# Altium PCB PCB_VHDCI_breakout.PCBDOC (part 1 of 6) (continued)
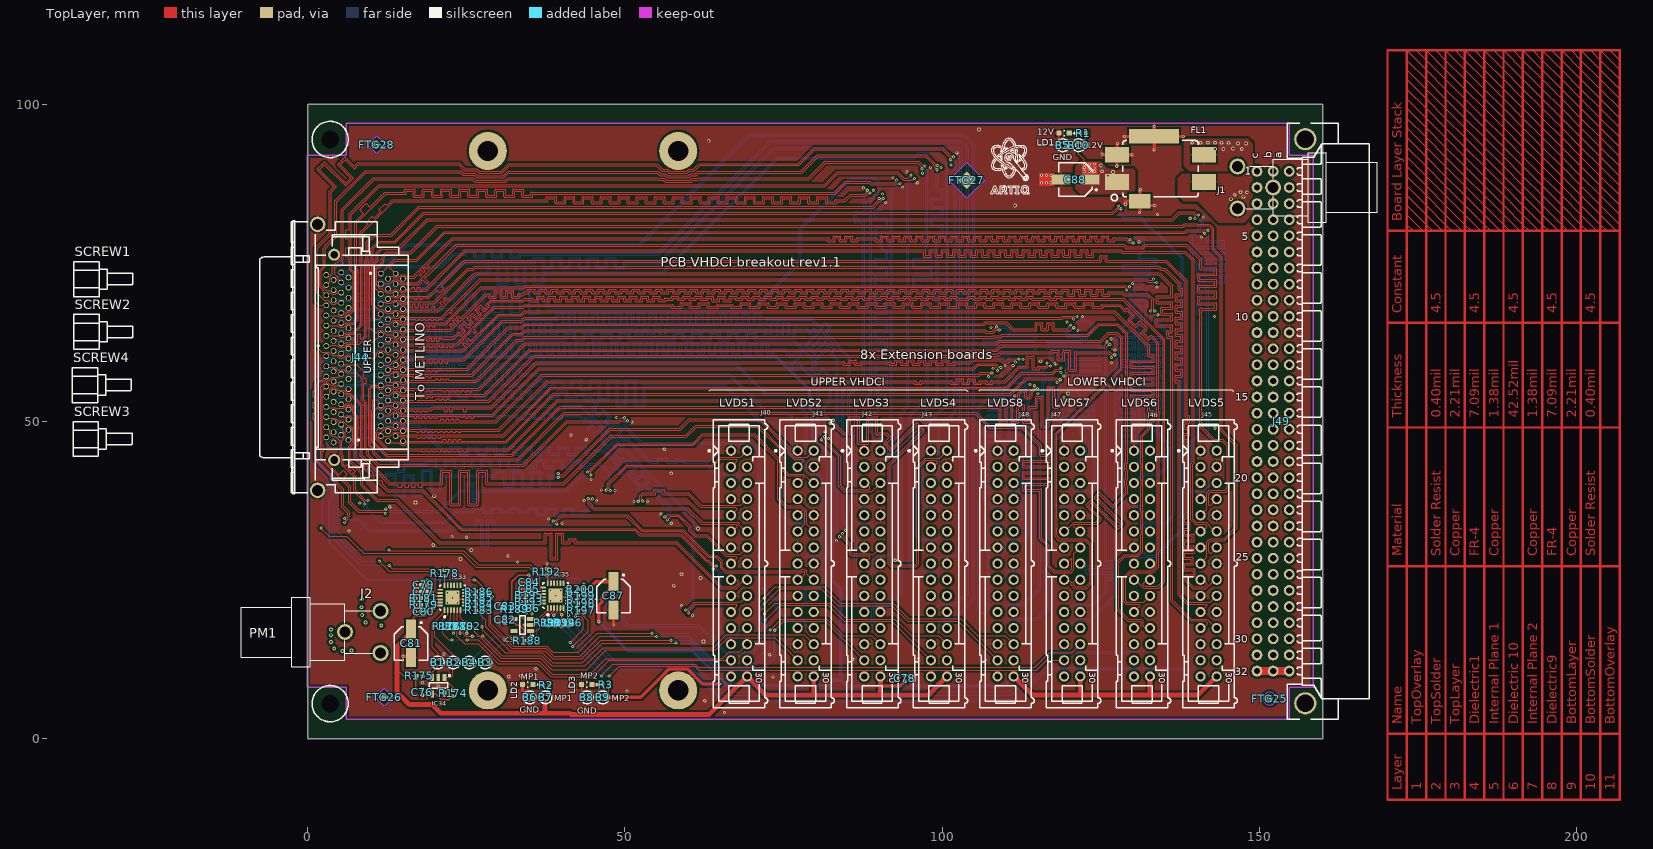
[diagram p0: TopLayer view]
## Footprints (in the part's own frame and the unit in brackets; to place one, negate y for a bottom-side part, rotate by r counter-clockwise, add the part's x,y. Pads: shape width x height; smd on the part's side, far side on the other; paste and mask are expansions set on the pad) (continued)
MOLEX_74337-0015 [mm] "2x68 Positions, Pitch 0.8mm, Very Hight Density Right Angle Dual Stacked VHDCI Receptacle"
  round 1.9 hole 1.2: 69(-16.175,4.79) 71(16.175,4.79)
  round 2.45 hole 1.75: 70(-20.95,7.41) 72(20.95,7.41)
  round 0.9 hole 0.65: L1(-13.005,2.54) L2(-12.205,3.69) L3(-11.405,2.54) L4(-10.605,3.69) L5(-9.805,2.54) L6(-9.005,3.69) L7(-8.205,2.54) L8(-7.405,3.69) L9(-6.605,2.54) L10(-5.805,3.69) L11(-5.005,2.54) L12(-4.205,3.69) L13(-3.405,2.54) L14(-2.605,3.69) L15(-1.805,2.54) L16(-1.005,3.69) L17(-0.205,2.54) L18(0.595,3.69) L19(1.395,2.54) L20(2.195,3.69) L21(2.995,2.54) L22(3.795,3.69) L23(4.595,2.54) L24(5.395,3.69) L25(6.195,2.54) L26(6.995,3.69) L27(7.795,2.54) L28(8.595,3.69) L29(9.395,2.54) L30(10.195,3.69) L31(10.995,2.54) L32(11.795,3.69) L33(12.595,2.54) L34(13.395,3.69) L35(-13.405,4.89) L36(-12.605,6.04) L37(-11.805,4.89) L38(-11.005,6.04) L39(-10.205,4.89) L40(-9.405,6.04) L41(-8.605,4.89) L42(-7.805,6.04) L43(-7.005,4.89) L44(-6.205,6.04) L45(-5.405,4.89) L46(-4.605,6.04) L47(-3.805,4.89) L48(-3.005,6.04) L49(-2.205,4.89) L50(-1.405,6.04) L51(-0.605,4.89) L52(0.195,6.04) L53(0.995,4.89) L54(1.795,6.04) L55(2.595,4.89) L56(3.395,6.04) L57(4.195,4.89) L58(4.995,6.04) L59(5.795,4.89) L60(6.595,6.04) L61(7.395,4.89) L62(8.195,6.04) L63(8.995,4.89) L64(9.795,6.04) L65(10.595,4.89) L66(11.395,6.04) L67(12.195,4.89) L68(12.995,6.04) U1(13.195,-2.54) U2(12.395,-3.69) U3(11.595,-2.54) U4(10.795,-3.69) U5(9.995,-2.54) U6(9.195,-3.69) U7(8.395,-2.54) U8(7.595,-3.69) U9(6.795,-2.54) U10(5.995,-3.69) U11(5.195,-2.54) U12(4.395,-3.69) U13(3.595,-2.54) U14(2.795,-3.69) U15(1.995,-2.54) U16(1.195,-3.69) U17(0.395,-2.54) U18(-0.405,-3.69) U19(-1.205,-2.54) U20(-2.005,-3.69) U21(-2.805,-2.54) U22(-3.605,-3.69) U23(-4.405,-2.54) U24(-5.205,-3.69) U25(-6.005,-2.54) U26(-6.805,-3.69) U27(-7.605,-2.54) U28(-8.405,-3.69) U29(-9.205,-2.54) U30(-10.005,-3.69) U31(-10.805,-2.54) U32(-11.605,-3.69) U33(-12.405,-2.54) U34(-13.205,-3.69) U35(13.195,-4.89) U36(12.395,-6.04) U37(11.595,-4.89) U38(10.795,-6.04) U39(9.995,-4.89) U40(9.195,-6.04) U41(8.395,-4.89) U42(7.595,-6.04) U43(6.795,-4.89) U44(5.995,-6.04) U45(5.195,-4.89) U46(4.395,-6.04) U47(3.595,-4.89) U48(2.795,-6.04) U49(1.995,-4.89) U50(1.195,-6.04) U51(0.395,-4.89) U52(-0.405,-6.04) U53(-1.205,-4.89) U54(-2.005,-6.04) U55(-2.805,-4.89) U56(-3.605,-6.04) U57(-4.405,-4.89) U58(-5.205,-6.04) U59(-6.005,-4.89) U60(-6.805,-6.04) U61(-7.605,-4.89) U62(-8.405,-6.04) U63(-9.205,-4.89) U64(-10.005,-6.04) U65(-10.805,-4.89) U66(-11.605,-6.04) U67(-12.405,-4.89) U68(-13.205,-6.04)
  silkscreen extent -21.5,-6.89 21.5,16.5, body extent -21.5,-6.89 21.5,16.5, height 12.77
QFN50P400X400X100-25N-S220 [mm] "QFN, 0.50mm Pitch, Square; 24 Pin, 4.00mm L X 4.00mm W X 1.00mm H body (w/thermal tab 2.2 X 2.2mm), IPC Medium Density"
  oval 0.9x0.3 smd: 1(-1.95,1.25) 2(-1.95,0.75) 3(-1.95,0.25) 4(-1.95,-0.25) 5(-1.95,-0.75) 6(-1.95,-1.25) 13(1.95,-1.25) 14(1.95,-0.75) 15(1.95,-0.25) 16(1.95,0.25) 17(1.95,0.75) 18(1.95,1.25)
  oval 0.3x0.9 smd: 7(-1.25,-1.95) 8(-0.75,-1.95) 9(-0.25,-1.95) 10(0.25,-1.95) 11(0.75,-1.95) 12(1.25,-1.95) 19(1.25,1.95) 20(0.75,1.95) 21(0.25,1.95) 22(-0.25,1.95) 23(-0.75,1.95) 24(-1.25,1.95)
  rect 2.2x2.2 smd: 25(0,0)
  silkscreen extent -3.12,-2 2,2, body extent -2.07,-2.07 2.08,2.08, height 1
RESC1005X40N [mm] "Chip Resistor, EIA 0402, Metric 1005, Body 1.0x0.5mm, IPC Medium Density"
  rect 0.58x0.62 smd: 1(-0.47,0) 2(0.47,0)
  body extent -0.52,-0.27 0.53,0.28, height 0.4
SOT95P280X145-5N [mm] "SOT, 0.95mm pitch; 5 pin, 1.60mm W X 2.90mm L X 1.45mm H body, IPC Medium Density"
  rect 1.1x0.6 smd: 1(-1.3,0.95) 2(-1.3,0) 3(-1.3,-0.95) 4(1.3,-0.95) 5(1.3,0.95)
  silkscreen extent -1.72,-1.45 0.43,1.88, body extent -1.4,-1.5 1.4,1.5, height 1.45
SWITCHCRAFT_L712RA [mm] "CONN PWR JACK 2.5X5.5MM SOLDER"
  round 2.5 hole 1.7: 1(-5.6,-3.3) 2(0,-6.6) 3(0,0)
  silkscreen extent -22,-8.84 -1.32,2.21, body extent -22,-8.84 1.35,2.18, height 13.9

## Part data
B1 B2 B3 B4 B5 B6 B7 B8 B9 B10: library part PLATED_HOLE0.6_PAD1.3, "Single Terminal Socket", Author="CERN DEM MR", ComponentHeight=0mm, Component Type="Standard (No BOM)", CreateDate=02.03.2016, Family="Plated Hole", HelpURL=Undefined, LatestRevisionDate=02.03.2016, Mounted=No, PackageDescription="Plated Through Hole: Hole Dia.=0.6mm Pad Dia.=1.3mm", Part Description="Plated Through Hole: Hole Dia.=0.6mm Pad Dia.=1.3mm", Part Number=PLATED_HOLE0.6_PAD1.3, Pin Count=1, Sense=No, SMD=No, Socket=No, Status=None
C76 C77 C78 C79 C80 C82 C83 C84 C85 C86: library part CC0402_100NF_16V_10%_X5R, "Non-polarised capacitor", Case=0402, Manufacturer=GENERIC, Manufacturer1 ComponentHeight=0.55mm, Manufacturer1 Example=MURATA, Manufacturer1 Part Number=GRM155R61C104KA88D, Tolerance=±10%, Voltage=16V, Author="CERN DEM JLC", Component Type=Standard, CreateDate=10.12.2013, HelpURL=\\cern.ch\dfs\Applications\Altium\Datasheets\CC0402_X5R_MURATA_GRM.pdf, LatestRevisionDate=10.12.2013, Manufacturer Part Number=CC0402_100NF_16V_10%_X5R, Mounted=Yes, Part Description="SMD Multilayer Chip Ceramic Capacitor", Part Number=CC0402_100NF_16V_10%_X5R, Pin Count=2, Sense=No, SMD=Yes, Socket=No, Status=None, TC=X5R
C81 C87 C88: library part CAE530-540_22UF_16V_20%, "Polarised capacitor", Case=B, Manufacturer=PANASONIC, Manufacturer Part Number=EEEFK1C220AR, Tolerance=±20%, Voltage=16V, Author="CERN DEM JLC", ComponentHeight=5.8mm, Component Type=Standard, CreateDate=03.12.2007, HelpURL=\\cern.ch\dfs\Applications\Altium\Datasheets\CAE_PANASONIC_FK.pdf, LatestRevisionDate=05.11.2014, Mounted=Yes, Part Description="Aluminum Electrolytic SMT Capacitor", Part Number=CAE530-540_22UF_16V_20%, Pin Count=2, Sense=No, SMD=Yes, Socket=No, Status="Not Recommended"
FL1: library part FIL_MURATA_BNX022-01L, "Block Type EMIFIL (LC Combined)", Manufacturer=MURATA, Manufacturer Part Number=BNX022-01L, Resistance=0.5R, Author="CERN DEM JLC", ComponentHeight=3.3mm, Component Type=Standard, CreateDate=10.10.2012, HelpURL=\\cern.ch\dfs\Applications\Altium\Datasheets\FIL_MURATA_BNX022-01L.pdf, LatestRevisionDate=10.10.2012, Mounted=Yes, Part Description="Block Type EMIFIL (LC Combined) SMD Type, BNX02* Series", Part Number=FIL_MURATA_BNX022-01L, Pin Count=2, Sense=No, SMD=Yes, Socket=No, Status=None
FTG25: library part FIDUCIAL_TARGET_C100-200, "Fiducial Target", Author="CERN DEM JLC", ComponentHeight=0mm, Component Type="Standard (No BOM)", CreateDate=09.02.2010, Family=Fiducial, HelpURL=Undefined, LatestRevisionDate=04.04.2012, Mounted=No, PackageDescription="Round Fiducial Target, Top Layer, 1.0mm, Top Solder 2.0mm, Keepout =2.0mm", Part Description="Round Fiducial Target, Top Layer, 1.0mm, Top Solder 2.0mm, Keepout =2.0mm", Part Number=FIDUCIAL_TARGET_C100-200, Pin Count=1, Sense=No, SMD=Yes, Socket=No, Status=None
FTG26 FTG28: library part FIDUCIAL_TARGET_S100-200, "Fiducial Target", Author="CERN DEM JLC", ComponentHeight=0mm, Component Type="Standard (No BOM)", CreateDate=09.02.2010, Family=Fiducial, HelpURL=Undefined, LatestRevisionDate=04.04.2012, Mounted=No, PackageDescription="Square Fiducial Target, Top Layer, 1.0mm, Top Solder 2.0mm, Keepout =2.0mm", Part Description="Square Fiducial Target, Top Layer, 1.0mm, Top Solder 2.0mm, Keepout =2.0mm", Part Number=FIDUCIAL_TARGET_S100-200, Pin Count=1, Sense=No, SMD=Yes, Socket=No, Status=None
FTG27: library part FIDUCIAL_TARGET_S200-400, "Fiducial Target", Author="CERN DEM JLC", ComponentHeight=0mm, Component Type="Standard (No BOM)", CreateDate=02.06.2008, Family=Fiducial, HelpURL=Undefined, LatestRevisionDate=04.04.2012, Mounted=No, PackageDescription="Square Fiducial Target, Top Layer, 2.0mm, Top Solder 4.0mm, Keepout =4.0mm", Part Description="Square Fiducial Target, Top Layer, 2.0mm, Top Solder 4.0mm, Keepout =4.0mm", Part Number=FIDUCIAL_TARGET_S200-400, Pin Count=1, Sense=No, SMD=Yes, Socket=No, Status=None
IC33 IC35: "Low Voltage 8-Channel I2C Switch With Reset", Case=QFN24, Manufacturer="TEXAS INSTRUMENTS", Author="CERN DEM JLC", Bonding=No, ComponentHeight=1mm, Component Type=Standard, CreateDate=07.07.2014, Device=TCA9548ARGER, HelpURL=\\cern.ch\dfs\Applications\Altium\Datasheets\TCA9548ARGER.pdf, LatestRevisionDate=07.07.2014, Manufacturer Part Number=TCA9548ARGER, Mounted=Yes, PackageDescription="QFN, 0.50mm Pitch, Square; 24 Pin, 4.00mm L X 4.00mm W X 1.00mm H body (w/thermal tab 2.2 X 2.2mm), IPC Medium Density", Part Description="Low Voltage 8-Channel I2C Switch With Reset", Part Number=TCA9548ARGER, Pin Count=25, PressFit=No, Sense=No, SMD=Yes, Socket=No
IC34 IC36: "1.7V-5.5V, 2K I2C Serial EEPROM With EUI-48 Node Identity", Case=SOT23-5, Manufacturer="MICROCHIP TECHNOLOGY", Author="CERN DEM MR", Bonding=No, ComponentHeight=1.45mm, Component Type=Standard, CreateDate=31.03.2016, Device=24AA02E48T-I/OT, HelpURL=\\cern.ch\dfs\Applications\Altium\Datasheets\24AA02E48T-I-OT.pdf, LatestRevisionDate=31.03.2016, Manufacturer Part Number=24AA02E48T-I/OT, Mounted=Yes, PackageDescription="SOT, 0.95mm pitch; 5 pin, 1.60mm W X 2.90mm L X 1.45mm H body, IPC Medium Density", Part Description="1.7V-5.5V, 2K I2C Serial EEPROM With EUI-48 Node Identity", Part Number=24AA02E48T-I/OT, Pin Count=5, PressFit=No, Sense=No, SMD=Yes, Socket=No
J1 J2: "24V /3. 5A, 2.1mm Diameter Pin, SMD DC Power Supply Connector With  Break Contact", Manufacturer=SWITCHCRAFT, Manufacturer Part Number=L712RA, Part Number=SWITCHCRAFT_L712RA, Author=GK, ComponentHeight=11mm, Component Type=Standard, CreateDate=15.02.2011, Family=Jack, HelpURL=\\cern.ch\dfs\Applications\Altium\Datasheets\LUMBERG_161314.pdf, LatestRevisionDate=20.07.2011, Mounted=Yes, Part Description="12V/5A, 2.5mm Diameter Pin, THT DC Power Supply Connector With  Break Contact", Pin Count=3, PressFit=No, Sense=No, SMD=No, Socket=No, Status=None
J40 J41 J42 J43 J45 J46 J47 J48: library part 3M_N2530-6002RB, "Connector 30 Male", Manufacturer=3M, Manufacturer Part Number=N2530-6002RB, Author="CERN DEM JLC", ComponentHeight=10.03mm, Component Type=Standard, CreateDate=11.02.2009, Family="Header 30", HelpURL=\\cern.ch\dfs\Applications\Altium\Datasheets\3M_N2530-6002RB.pdf, LatestRevisionDate=11.08.2009, Mounted=Yes, Part Description="30 Contacts - Straight .100'' x .100'' Low Profile Four-Wall Header, 2500 Series", Part Number=3M_N2530-6002RB, Pin Count=30, PressFit=No, Sense=No, SMD=No, Socket=No, Status=None
J44: library part MOLEX_74337-0015, "Very High Density Cable Interconnect (VHDCI ) 2x68 Female", Manufacturer=MOLEX, Manufacturer Part Number="Delivered by GK", Author="CERN DEM JLC", ComponentHeight=10.78mm, Component Type=Standard, CreateDate=30.04.2014, Family=VHDCI, HelpURL=\\cern.ch\dfs\Applications\Altium\Datasheets\MOLEX_74337-0015.pdf, LatestRevisionDate=30.04.2014, Mounted=Yes, Part Description="2x68 Positions, Pitch 0.8mm, Very Hight Density Right Angle Dual Stacked VHDCI Receptacle", Part Number="Delivered by GK", Pin Count=140, PressFit=No, Sense=No, SMD=No, Socket=No, Status=None
J49: library part "HARTING_09 03 196 2921", "Connector 96abc male (3x32)", Manufacturer=HARTING, Manufacturer Part Number="09 03 196 2921", Author="CERN DEM JLC", ComponentHeight=11mm, Component Type=Standard, CreateDate=16.04.2008, Family="DIN 41612 Type C", HelpURL="\\cern.ch\dfs\Applications\Altium\Datasheets\HARTING_09 03 196 2921.pdf", LatestRevisionDate=25.02.2013, Mounted=Yes, Part Description="DIN 41612, Type C, 96 Position, Rows a+b+c, Performance level 1, Right Angle Male Connector, Lead 3.0 mm, Pitch 2.54mm", Part Number="HARTING_09 03 196 2921", Pin Count=98, PressFit=No, Sense=No, SMD=No, Socket=No, Status=None
LD1 LD2 LD3: library part LED_KINGBRIGHT_KPH-1608CGCK, "LED Green 1C 2A", Manufacturer=KINGBRIGHT, Manufacturer Part Number=KPH-1608CGCK, Author="CERN DEM JLC", Bonding=No, Color=Green, ComponentHeight=0.65mm, Component Type=Standard, CreateDate=03.07.2017, HelpURL=\\cern.ch\dfs\Applications\Altium\Datasheets\LED_KINGBRIGHT_KPH-1608CGCK.pdf, LatestRevisionDate=03.07.2017, Mounted=Yes, PackageDescription="SMT Green LED, Case 0603, Body L 1.6 x W 0.8mm H 0.65mm", Part Description="SMD Green LED, Case 1.6mmX0.8mm(0603), 0.65mm Thickness", Part Number=LED_KINGBRIGHT_KPH-1608CGCK, Pin Count=2, PressFit=No, Sense=No, SMD=Yes, Socket=No
PM1: "90W  AC-DC  Medical Power Adaptor", Manufacturer="MEAN WELL", Author=GK, Bonding=No, ComponentHeight=21.5mm, Component Type=Standard, CreateDate=14.02.2018, Device=GSM90B12-P1M, HelpURL=\\cern.ch\dfs\Applications\Altium\Datasheets\IRM-10-12.pdf, LatestRevisionDate=14.02.2018, Manufacturer Part Number=GSM90B12-P1M, Mounted=Yes, PackageDescription="GSM Series, 145.0mm x 60.0mm x 32.0mm , Power Supply", Part Description="80-264VAC To 12VDC (6.67A) 90W Power Supply", Part Number=GSM90B12-P1M, Pin Count=0, PressFit=No, Sense=No, SMD=No, Socket=No, Status=None
R1: library part R0402_10K_1%_0.0625W_100PPM, "Resistor - 1%", Case=0402, Manufacturer=GENERIC, Manufacturer1 ComponentHeight=0.4mm, Manufacturer1 Example="YAGEO PHYCOMP", Manufacturer1 Part Number=232270671003L, Power=0.0625W, Tolerance=±1%, Author="CERN DEM JLC", Component Type=Standard, CreateDate=03.12.2007, HelpURL=\\cern.ch\dfs\Applications\Altium\Datasheets\R0402_Phycomp_RC0402.pdf, LatestRevisionDate=17.10.2012, Manufacturer Part Number=R0402_10K_1%_0.0625W_100PPM, Mounted=Yes, Part Description="General Purpose Thick Film Chip Resistor", Part Number=R0402_10K_1%_0.0625W_100PPM, Pin Count=2, Sense=No, SMD=Yes, Socket=No, Status="Not recommended", TC=±100ppm/°C
R2 R3: library part R0402_510R_1%_0.0625W_100PPM, "Resistor - 1%", Case=0402, Manufacturer=GENERIC, Manufacturer1 ComponentHeight=0.4mm, Manufacturer1 Example="YAGEO PHYCOMP", Manufacturer1 Part Number=232270675101L, Power=0.0625W, Tolerance=±1%, Author="CERN DEM JLC", Component Type=Standard, CreateDate=03.12.2007, HelpURL=\\cern.ch\dfs\Applications\Altium\Datasheets\R0402_Phycomp_RC0402.pdf, LatestRevisionDate=17.10.2012, Manufacturer Part Number=R0402_510R_1%_0.0625W_100PPM, Mounted=Yes, Part Description="General Purpose Thick Film Chip Resistor", Part Number=R0402_510R_1%_0.0625W_100PPM, Pin Count=2, Sense=No, SMD=Yes, Socket=No, Status="Not recommended", TC=±100ppm/°C
R174 R175 R176 R177 R180 R182 R183 R184 R185 R186 R188 R189 R190 R191 R194 R196 R197 R198 R199 R200: library part R0402_2K2_1%_0.0625W_100PPM, "Resistor - 1%", Case=0402, Manufacturer=GENERIC, Manufacturer1 ComponentHeight=0.4mm, Manufacturer1 Example="YAGEO PHYCOMP", Manufacturer1 Part Number=232270672202L, Power=0.0625W, Tolerance=±1%, Author="CERN DEM JLC", Component Type=Standard, CreateDate=03.12.2007, HelpURL=\\cern.ch\dfs\Applications\Altium\Datasheets\R0402_Phycomp_RC0402.pdf, LatestRevisionDate=17.10.2012, Manufacturer Part Number=R0402_2K2_1%_0.0625W_100PPM, Mounted=Yes, Part Description="General Purpose Thick Film Chip Resistor", Part Number=R0402_2K2_1%_0.0625W_100PPM, Pin Count=2, Sense=No, SMD=Yes, Socket=No, Status="Not recommended", TC=±100ppm/°C
R178 R179 R181 R192 R193 R195: library part R0402_0R_JUMPER, "Resistor", Case=0402, Manufacturer=GENERIC, Manufacturer1 ComponentHeight=0.4mm, Manufacturer1 Example="YAGEO PHYCOMP", Manufacturer1 Part Number=232270591001L, Author="CERN DEM JLC", Component Type=Standard, CreateDate=03.12.2007, HelpURL=\\cern.ch\dfs\Applications\Altium\Datasheets\R0402_Phycomp_RC0402.pdf, LatestRevisionDate=17.10.2012, Manufacturer Part Number=R0402_0R_JUMPER, Mounted=Yes, Part Description="1A (0.05R Max DC Resistance) Zero Ohm Jumper", Part Number=R0402_0R_JUMPER, Pin Count=2, Sense=No, SMD=Yes, Socket=No, Status="Not recommended"
SCREW1 SCREW2 SCREW3 SCREW4: "VHDCI Female Screw Lock", Manufacturer=Molex, Part Number=MOLEX_71433-0002, Author=GK, ComponentHeight=5.48mm, Component Type=Mechanical, CreateDate=10.09.2013, HelpURL=\\cern.ch\dfs\Applications\Altium\Datasheets\TYCO_749087-2.pdf, LatestRevisionDate=10.09.2013, Manufacturer Part Number=71433-0002, Mounted=Yes, PackageDescription="D-Sub Female Screw Locks, Thread Size: Socket", Part Description="D-Sub Female Screw Locks, Thread Size: Socket MOLEX_71433-0002", Pin Count=0, PressFit=No, Sense=No, SMD=No, Socket=No, Status=None

## Free pads (board coordinates)
  round 6 hole 3.2: 0(58.4,7.6) 1(58.4,92.6) 2(28.4,92.6) 3(28.4,7.6)
  round 1.27 hole 2.794: 1(3.556,94.412) 2(3.556,5.512)

## Via types
v1: diameter 0.5, hole 0.2, TopLayer to BottomLayer, tented both sides, 278 vias
v2: diameter 0.6, hole 0.3, TopLayer to BottomLayer, tented both sides, 52 vias

## Nets (pads, with @x,y where several pads share a name; then routed paths per layer and width w, separated by ;. In a path a pad name is that pad's centre, name@x,y a point inside that pad or via, vN(x,y) a via of type N, cw(c..) or ccw(c..) an arc to the next point about the centre after c; other vN are vias at no path point)
GND: B5.1 B6.1 B8.1 C76.1 C77.1 C78.1 C79.1 C80.1 C81.2 C82.1 C83.1 C84.1 C85.1 C86.1 C87.2 C88.2 FL1.4 IC33.9 IC33.25 IC34.2 IC35.9 IC35.25 IC36.2 J40.1 J40.4 J40.7 J40.10 J40.13 J40.16 J40.19 J40.22 J40.25 J41.1 J41.4 J41.7 J41.10 J41.13 J41.16 J41.19 J41.22 J41.25 J42.1 J42.4 J42.7 J42.10 J42.13 J42.16 J42.19 J42.22 J42.25 J43.1 J43.4 J43.7 J43.10 J43.13 J43.16 J43.19 J43.22 J43.25 J44.69 J44.70 J44.71 J44.72 J44.L18 J44.U18 J45.1 J45.4 J45.7 J45.10 J45.13 J45.16 J45.19 J45.22 J45.25 J46.1 J46.4 J46.7 J46.10 J46.13 J46.16 J46.19 J46.22 J46.25 J47.1 J47.4 J47.7 J47.10 J47.13 J47.16 J47.19 J47.22 J47.25 J48.1 J48.4 J48.7 J48.10 J48.13 J48.16 J48.19 J48.22 J48.25 J49.a9 J49.a11 J49.a17 J49.a19 J49.b12 J49.b20 J49.b22 J49.b23 J49.c9 LD1.1 LD2.1 LD3.1 R178.1 R179.1 R181.1 R192.1 R193.1 R195.1 | length 59.3
  TopLayer w0.254: v1(16.993,21.083) R179.1@17.869,21.083 ; v1(17.019,19.991) C80.1@17.864,19.991 ; v1(17.019,24.233) C79.1@17.889,24.233 ; v1(17.044,22.125) R181.1@17.869,22.125 ; v1(17.095,23.166) C77.1@17.889,23.166 ; C76.1@18.061,6.861 18.761,6.861 v1(18.8,6.9) ; R178.1@21.591,26.506 v1(22.365,26.506) ; v1(22.835,22.201) 23.085,21.951 IC33.9@24.785,21.951 ; v1(30.208,21.279) C83.1@31.141,21.279 ; v1(30.259,18.246) C82.1@31.116,18.246 ; v1(33.478,24.639) C84.1@34.476,24.639 ; v1(33.529,23.573) C85.1@34.476,23.573 ; v1(33.605,22.557) R195.1@34.481,22.557 ; v1(33.681,21.591) R193.1@34.481,21.591 ; v1(34.113,17.908) IC36.2@35.133,17.908 ; v1(34.45,19.781) C86.1@34.45,20.55 ; R192.1@37.72,26.786 v1(37.72,27.586) ; v1(39.091,22.531) 39.341,22.281 IC35.9@41.041,22.281 ; LD3.1@43.175,8.5 43.175,7.325 B8.1@44,6.5 ; C78.1@94.1,9.95 94.611,9.95 v1(94.835,9.726) ; LD1.1@118.375,95.4 118.375,94.125 B5.1@119,93.5
  TopLayer w0.508: v1(15.018,12.98) 15.007,12.97 C81.2@16.618,12.97 ; LD2.1@33.875,8.5 33.875,7.525 34.9,6.5 B6.1@35,6.5 ; v1(48.184,17.908) C87.2@48.184,20.23 ; v1(125.2,92.1) 125.3,92 FL1.4@127.55,92 ; v1(127.5,90.2) 127.55,90.25 FL1.4@127.55,92 ; v1(127.6,93.8) 127.55,93.75 FL1.4@127.55,92 ; v1(128.7,94.9) FL1.4@133.4,94.9 ; v2(128.9,84.2) 128.9,84.7 FL1.4@131.15,84.7 ; v1@129.9,92 FL1.4@127.55,92 ; v1(131.1,82.9) 131.15,82.95 FL1.4@131.15,84.7 ; v1(131.2,86.5) 131.15,86.45 FL1.4@131.15,84.7 ; FL1.4@131.9,84 v1(133.5,84) ; v1(133.4,92.8) FL1.4@133.4,94.9 ; v1(133.4,96.5) FL1.4@133.4,94.9 ; v1(138,94.9) FL1.4@133.4,94.9
  BottomLayer w0.127: J44.L18@5.295,60.43 J44.L18@5.295,60.671
  other v1: 65.7,4.1 62.585,5.976 50.335,7.476 42.085,7.726 20.6,8.3 18.1,8.8 73.335,9.726 81.835,9.976 106.8,12.4 85.9,12.5 96.284,12.6 72.835,13.226 21.5,13.3 60.656,19.432 58.929,20.956 22.035,21.401 23.635,21.401 38.291,21.731 39.891,21.731 22.035,23.001 23.635,23.001 38.291,23.331 39.891,23.331 33.071,27.84 92.6,28.1 31.6,28.8 83.338,31.193 25.02,31.726 22.734,31.828 6.553,32.69 84.8,32.8 40.1,33.9 57.303,33.936 38,34.6 55.677,35.409 12.955,36.527 8.205,37.136 51.41,37.365 53.569,37.365 43.6,37.5 45.5,37.5 48.464,39.092 46.3,39.2 44.654,40.845 43.9,47.1 82.1,47.3 41.5,47.8 81.56,48.363 143,48.9 51.1,49.9 48.7,50.6 111.43,53.976 115.1,54.4 113.818,55.805 119.152,57.126 108,58.3 109.9,58.8 111.189,58.796 117.755,59.082 126.696,59.26 115.494,59.463 112.751,59.715 127.178,61.241 126.6,63 121.3,64.3 107.7,64.8 119.66,65.66 122.1,66.5 142.9,66.5 133.986,66.803 133.833,71.172 130,71.7 131,78.3 140.869,79.046 139.1,82 141.2,82.2 133.935,82.602 91.1,84.5 87.6,86.8 93.752,86.92 96.063,87.581 115.646,87.597 116.433,87.597 117.144,87.597 92.253,88.444 116.433,88.74 117.144,88.74 115.646,88.765 94.463,89.333 98.172,90.019 129.9,92 102.286,92.305
  other v2: 31.7,9.8 33.6,9.9 36,11 62.4,15.3 57.7,24.1 61.9,25.3 58.9,25.9 24.1,28.3 25.8,29.7 19.8,30.5 61.5,33.1 17,37.2 19.9,38.2 57.3,41.8 56.2,45.6 119.8,54.4 111.5,84 63.2,94.2 105.8,96
I2C1_SCL: IC33.4 J40.27 R177.1 | length 51.3
  TopLayer w0.127: IC33.4@23.085,20.251 23.085,18.247 R177.1@22.988,18.15 22.988,18.112 23.496,17.604 23.496,16.156 24.74,14.911 26.899,14.911 30.023,11.787 36.323,11.787 38.355,9.755 44.933,9.755 47.514,12.336 J40.27@66.715,12.336
I2C1_SDA: IC33.3 J40.26 R176.1 | length 56.8
  TopLayer w0.127: IC33.3@22.585,20.251 22.585,18.789 R176.1@21.946,18.15 21.3,17.504 21.3,16.5 22.254,15.546 v1(22.759,15.546) ; v1(25.147,15.546) 26.925,15.546 30.252,12.219 36.5,12.219 38.558,10.161 44.527,10.161 46.965,12.6 65.329,12.6 66.422,13.692 68.071,13.692 J40.26@69.255,14.876
  BottomLayer w0.127: v1(22.759,15.546) v1(25.147,15.546)
I2C2_SCL: IC33.6 J41.27 R182.1 | length 61.6
  TopLayer w0.127: IC33.6@24.085,20.251 24.085,19.059 R182.1@24.994,18.15 ; R182.1@25.07,18.175 25.667,18.175 26.264,17.578 26.264,16.879 30.512,12.631 36.723,12.631 38.482,10.873 43.968,10.873 47.067,13.971 64.288,13.971 66.218,15.902 73.649,15.902 J41.27@77.215,12.336
I2C2_SDA: IC33.5 J41.26 R180.1 | length 64.1
  TopLayer w0.127: IC33.5@23.585,20.251 23.585,18.568 R180.1@24.004,18.15 24.537,17.616 24.537,16.498 24.905,16.13 v1(25.934,16.13) ; v1@27.572,16.118 30.646,13.044 36.92,13.044 38.507,11.457 43.663,11.457 46.559,14.352 63.983,14.352 65.99,16.359 78.272,16.359 J41.26@79.755,14.876
  BottomLayer w0.127: v1(25.934,16.13) 27.585,16.13 v1(27.61,16.156)
I2C3_SCL: IC33.8 J42.27 R184.1 | length 82.5
  TopLayer w0.127: IC33.8@24.785,21.451 25.566,21.451 v1(25.604,21.414) 26.353,21.414 R184.1@26.556,21.21 ; v1(27.483,17.629) 27.585,17.527 27.585,17.096 31.116,13.565 37.008,13.565 38.659,11.914 43.257,11.914 46.406,15.064 57.061,15.064 57.07,15.055 58.031,15.055 v1(58.04,15.064) ; v1(73.61,17.07) 75.032,18.493 81.558,18.493 J42.27@87.715,12.336
  BottomLayer w0.127: v1(25.604,21.414) 27.483,19.534 v1(27.483,17.629) ; v1(58.04,15.064) 60.162,15.064 65.724,9.502 65.724,9.386 66.305,8.806 69.665,8.806 71.656,10.796 71.726,10.796 73.708,12.778 73.708,16.972 v1(73.61,17.07)
I2C3_SDA: IC33.7 J42.26 R183.1 | length 81
  TopLayer w0.127: IC33.7@24.785,20.951 25.228,20.951 26.048,20.131 26.556,20.131 28.042,18.645 28.042,17.654 31.84,13.857 37.351,13.857 38.659,12.549 43.231,12.549 46.178,15.495 v1(57.252,15.495) v1@57.201,15.445 ; v1(72.873,17.096) 74.6,18.823 81.814,18.823 84.405,16.232 88.899,16.232 J42.26@90.255,14.876
  BottomLayer w0.127: v1(57.252,15.495) 57.261,15.504 58.222,15.504 58.231,15.495 60.09,15.495 64.748,10.838 69.876,10.838 70.13,11.092 71.662,11.092 73.454,12.884 73.454,16.515 v1(72.873,17.096)
I2C4_SCL: IC33.11 J43.27 R186.1 | length 96.5
  TopLayer w0.127: IC33.11@24.785,22.951 25.541,22.951 v1(25.731,23.141) 25.756,23.166 R186.1@26.556,23.166 ; v1(28.449,23.166) 28.449,20.574 28.64,20.382 28.64,17.767 32.132,14.276 37.516,14.276 38.786,13.006 42.927,13.006 46.025,16.105 v1(54.966,16.105) ; v1(72.086,18.67) 74.448,21.033 82.028,21.033 84.543,18.518 92.033,18.518 J43.27@98.215,12.336
  BottomLayer w0.127: v1(25.731,23.141) 25.756,23.166 v1(28.449,23.166) ; v1(54.966,16.105) 59.839,16.105 64.853,11.092 69.77,11.092 70.024,11.346 70.331,11.346 72.8,13.814 72.8,16.546 72.433,16.913 72.433,18.323 v1(72.086,18.67)
I2C4_SDA: IC33.10 J43.26 R185.1 | length 97.4
  TopLayer w0.127: IC33.10@24.785,22.451 25.633,22.451 v1(25.68,22.404) 25.883,22.201 R185.1@26.556,22.201 ; v1(29.084,22.379) 29.084,21.922 28.855,21.693 28.855,20.527 28.894,20.488 28.894,18.097 32.411,14.581 37.694,14.581 38.634,13.641 42.673,13.641 45.644,16.613 v1(54.28,16.613) v1@54.23,16.664 ; v1(71.984,19.661) 73.661,21.337 82.473,21.337 84.988,18.823 92.533,18.823 95.174,16.181 99.45,16.181 J43.26@100.755,14.876
  BottomLayer w0.127: v1(25.68,22.404) 29.058,22.404 v1(29.084,22.379) ; v1(54.28,16.613) 59.691,16.613 64.958,11.346 69.665,11.346 71.903,13.584 71.903,18.23 71.645,18.488 71.645,18.853 71.984,19.192 v1(71.984,19.661)
I2C5_SCL: IC35.4 J45.27 R191.1 | length 112.9
  TopLayer w0.127: R191.1@38.99,18.709 38.786,18.912 v1(38.786,19.432) 39.341,19.987 IC35.4@39.341,20.581
  BottomLayer w0.127: v1(38.786,19.432) 38.786,18.696 46.635,10.847 60.351,10.847 65.406,5.793 111.507,5.793 116.561,10.847 139.226,10.847 J45.27@140.715,12.336
I2C5_SDA: IC35.3 J45.26 R190.1 | length 117.5
  TopLayer w0.127: R190.1@37.948,18.709 v1(37.948,19.331) 38.841,20.224 IC35.3@38.841,20.581
  BottomLayer w0.127: v1(37.948,19.331) 38.609,19.991 39.04,19.991 39.396,19.636 39.396,19.026 47.219,11.203 60.427,11.203 65.406,6.224 111.227,6.224 116.206,11.203 137.821,11.203 140.158,13.54 141.918,13.54 J45.26@143.255,14.876
I2C6_SCL: IC35.6 J46.27 R196.1 | length 100.1
  TopLayer w0.127: IC35.6@40.341,20.581 40.341,20.24 41.098,19.483 v1(41.098,19.432) ; R196.1@41.098,18.709 v1(41.098,19.432) ; v1@41.123,19.458 v1(41.098,19.432)
  BottomLayer w0.127: v1(41.098,19.432) 41.098,18.797 48.108,11.787 60.503,11.787 65.456,6.834 110.821,6.834 117.399,13.413 129.138,13.413 J46.27@130.215,12.336
I2C6_SDA: IC35.5 J46.26 R194.1 | length 104
  TopLayer w0.127: IC35.5@39.841,20.581 39.841,19.724 v1(40.056,19.509) R194.1@40.056,18.709
  BottomLayer w0.127: v1(40.056,19.509) 40.818,20.271 41.326,20.271 41.682,19.915 41.682,18.975 48.54,12.117 60.605,12.117 65.329,7.393 110.683,7.393 117.084,13.794 131.672,13.794 J46.26@132.755,14.876
I2C7_SCL: IC35.8 J47.27 R198.1 | length 91.7
  TopLayer w0.127: IC35.8@41.041,21.781 41.721,21.781 v1(41.961,21.541) 42.431,21.541 R198.1@42.66,21.312 ; v1(41.377,15.14) 43.46,17.223 43.46,18.747 42.927,19.28 v1(42.215,19.28) ; v1(47.524,9.857) 49.093,11.426 61.003,11.426 61.632,10.796 114.936,10.796 116.475,12.336 J47.27@119.215,12.336
  BottomLayer w0.127: v1(41.377,15.14) 41.86,15.14 47.143,9.857 v1(47.524,9.857) ; v1(41.961,21.541) 42.215,21.287 v1(42.215,19.28)
I2C7_SDA: IC35.7 J47.26 R197.1 | length 93.8
  TopLayer w0.127: IC35.7@41.041,21.281 41.522,21.281 R197.1@42.66,20.144 44.197,18.607 44.197,16.943 v1(41.784,14.53) ; v1(46.305,9.882) 48.102,11.68 61.108,11.68 61.56,11.228 114.605,11.228 116.891,13.514 120.393,13.514 J47.26@121.755,14.876
  BottomLayer w0.127: v1(41.784,14.53) 41.784,14.403 v1(46.305,9.882)
I2C8_SCL: IC35.11 J48.27 R200.1 | length 85.3
  TopLayer w0.127: IC35.11@41.041,23.281 42.318,23.281 R200.1@42.609,23.573 43.117,23.065 v1(44.73,23.065) ; v1(71.933,21.185) 71.984,21.185 74.397,23.598 80.95,23.598 83.592,20.956 92.076,20.956 94.539,18.493 102.558,18.493 J48.27@108.715,12.336
  BottomLayer w0.127: v1(44.73,23.065) 45.111,22.684 45.111,22.18 45.102,22.172 45.102,21.168 46.787,19.483 48.311,19.483 50.14,17.654 61.635,17.654 65.912,13.378 69.876,13.378 71.544,15.046 71.544,18.23 71.391,18.383 71.391,20.643 v1(71.933,21.185)
I2C8_SDA: IC35.10 J48.26 R199.1 | length 85.9
  TopLayer w0.127: IC35.10@41.041,22.781 42.384,22.781 R199.1@42.634,22.531 42.634,22.501 43.147,21.989 v1(45.543,21.989) ; v1(71.959,22.176) 73.711,23.928 81.331,23.928 83.897,21.363 92.279,21.363 94.768,18.874 102.972,18.874 105.639,16.207 109.924,16.207 J48.26@111.255,14.876
  BottomLayer w0.127: v1(45.543,21.989) 46.542,21.989 50.496,18.035 61.613,18.035 66.017,13.632 67.23,13.632 69.77,13.632 71.283,15.144 71.283,18.132 71.137,18.278 71.137,21.354 v1(71.959,22.176)
INPUT_GND: FL1.3 J1.1 J2.1 J49.b2 | length 0.3
  TopLayer w0.508: J1.1@151.843,86.843 J1.1@152.146,86.843
  other v2: 5.5,13.8 6.9,13.9 4.2,14.2 3.7,15.2 3.7,16.3 3.7,17.2 143,92.9 144.3,92.9 147.2,92.9 145.8,93 146.6,93.8 147.9,93.8 139.4,93.9 140.7,93.9 141.9,93.9 143,93.9 144,93.9 145.1,93.9
LVDS1_1_N: J40.3 J44.L35 | length 92.7
  TopLayer w0.152: v1(47.7,39.1) 47.525,39.275 47.525,40 50.325,42.8 63.802,42.8 65.05,44.048 67.678,44.048 67.678,43.779 J40.3@66.715,42.816
  BottomLayer w0.127: J44.L35@4.095,46.671 5.139,46.671 6.179,47.711 7.087,47.711
  BottomLayer w0.152: 7.087,47.711 7.299,47.5 9.6,47.5 13.7,43.4 14.358,43.4 cw(c14.358,43.248) 14.51,43.248 14.51,42.311 15.12,42.311 15.12,43.248 cw(c15.272,43.248) 15.272,43.4 18.733,43.4 18.733,43.756 cw(c18.886,43.756) 18.886,43.908 20.308,43.908 cw(c20.308,43.756) 20.46,43.756 20.46,42.892 21.578,42.892 21.578,43.756 cw(c21.73,43.756) 21.73,43.908 23.153,43.908 cw(c23.153,43.756) 23.305,43.756 23.305,42.892 24.423,42.892 24.423,43.756 cw(c24.575,43.756) 24.575,43.908 25.998,43.908 cw(c25.998,43.756) 26.15,43.756 26.15,42.892 27.268,42.892 27.268,43.756 cw(c27.42,43.756) 27.42,43.908 28.842,43.908 cw(c28.842,43.756) 28.995,43.756 28.995,42.892 30.112,42.892 30.112,43.756 cw(c30.265,43.756) 30.265,43.908 31.687,43.908 cw(c31.687,43.756) 31.84,43.756 31.84,42.892 32.957,42.892 32.957,43.756 cw(c33.11,43.756) 33.11,43.908 34.532,43.908 cw(c34.532,43.756) 34.684,43.756 34.684,42.892 35.802,42.892 35.802,43.756 cw(c35.954,43.756) 35.954,43.908 37.377,43.908 cw(c37.377,43.756) 37.529,43.756 37.529,42.892 38.647,42.892 38.647,43.756 cw(c38.799,43.756) 38.799,43.908 40.222,43.908 cw(c40.222,43.756) 40.374,43.756 40.374,42.892 41.492,42.892 41.492,43.756 cw(c41.644,43.756) 41.644,43.908 43.066,43.908 cw(c43.066,43.756) 43.219,43.756 43.219,42.892 44.336,42.892 44.336,43.248 cw(c44.489,43.248) 44.489,43.4 46.131,43.4 47.672,41.859 47.705,41.826 47.705,39.371 47.672,39.339 v1@47.672,39.143
LVDS1_1_P: J40.2 J44.L1 | length 92.4
  TopLayer w0.152: v1(47.045,39.143) 47.22,39.318 47.22,40.126 50.199,43.105 63.676,43.105 64.924,44.353 68.252,44.353 J40.2@69.255,45.356
  BottomLayer w0.127: J44.L1@6.445,47.071 6.684,47.071 6.949,47.335 6.971,47.335
  BottomLayer w0.152: 6.971,47.335 7.068,47.335 7.183,47.221 9.484,47.221 9.652,47.052 9.976,46.729 10.622,46.083 9.928,45.388 10.574,44.741 11.269,45.436 11.81,44.895 13.61,43.095 14.205,43.095 14.205,42.159 ccw(c14.358,42.159) 14.358,42.006 15.272,42.006 ccw(c15.272,42.159) 15.424,42.159 15.424,43.095 18.886,43.095 ccw(c18.886,43.248) 19.038,43.248 19.038,43.603 20.156,43.603 20.156,42.74 ccw(c20.308,42.74) 20.308,42.587 21.73,42.587 ccw(c21.73,42.74) 21.883,42.74 21.883,43.603 23,43.603 23,42.74 ccw(c23.153,42.74) 23.153,42.587 24.575,42.587 ccw(c24.575,42.74) 24.728,42.74 24.728,43.603 25.845,43.603 25.845,42.74 ccw(c25.998,42.74) 25.998,42.587 27.42,42.587 ccw(c27.42,42.74) 27.572,42.74 27.572,43.603 28.69,43.603 28.69,42.74 ccw(c28.842,42.74) 28.842,42.587 30.265,42.587 ccw(c30.265,42.74) 30.417,42.74 30.417,43.603 31.535,43.603 31.535,42.74 ccw(c31.687,42.74) 31.687,42.587 33.11,42.587 ccw(c33.11,42.74) 33.262,42.74 33.262,43.603 34.38,43.603 34.38,42.74 ccw(c34.532,42.74) 34.532,42.587 35.954,42.587 ccw(c35.954,42.74) 36.107,42.74 36.107,43.603 37.224,43.603 37.224,42.74 ccw(c37.377,42.74) 37.377,42.587 38.799,42.587 ccw(c38.799,42.74) 38.952,42.74 38.952,43.603 40.069,43.603 40.069,42.74 ccw(c40.222,42.74) 40.222,42.587 41.644,42.587 ccw(c41.644,42.74) 41.796,42.74 41.796,43.603 42.914,43.603 42.914,42.74 ccw(c43.066,42.74) 43.066,42.587 44.489,42.587 ccw(c44.489,42.74) 44.641,42.74 44.641,43.095 46.005,43.095 47.4,41.7 47.4,39.497 v1(47.045,39.143)
LVDS1_2_N: J40.6 J44.L43 | length 94.6
  BottomLayer w0.127: J44.L43@4.095,53.071 4.654,53.63 5.56,53.63 6.135,54.205 10.753,54.205 11.26,54.711 11.79,54.711 12.297,54.205 13.103,54.205 13.61,54.711 14.14,54.711 14.647,54.205 15.012,54.205 15.037,54.23 15.85,54.23 15.914,54.294
  BottomLayer w0.152: 15.914,54.294 15.915,54.294 15.926,54.305 19.359,54.305 19.359,54.66 cw(c19.511,54.66) 19.511,54.813 20.934,54.813 cw(c20.934,54.66) 21.086,54.66 21.086,53.797 22.204,53.797 22.204,54.66 cw(c22.356,54.66) 22.356,54.813 23.778,54.813 cw(c23.778,54.66) 23.931,54.66 23.931,53.797 25.048,53.797 25.048,54.66 cw(c25.201,54.66) 25.201,54.813 26.623,54.813 cw(c26.623,54.66) 26.776,54.66 26.776,53.797 27.893,53.797 27.893,54.66 cw(c28.046,54.66) 28.046,54.813 29.468,54.813 cw(c29.468,54.66) 29.62,54.66 29.62,53.797 30.738,53.797 30.738,54.66 cw(c30.89,54.66) 30.89,54.813 32.313,54.813 cw(c32.313,54.66) 32.465,54.66 32.465,53.797 33.583,53.797 33.583,54.66 cw(c33.735,54.66) 33.735,54.813 35.158,54.813 cw(c35.158,54.66) 35.31,54.66 35.31,53.797 36.428,53.797 36.428,54.66 cw(c36.58,54.66) 36.58,54.813 38.002,54.813 cw(c38.002,54.66) 38.155,54.66 38.155,53.797 39.272,53.797 39.272,54.66 cw(c39.425,54.66) 39.425,54.813 40.847,54.813 cw(c40.847,54.66) 41,54.66 41,53.797 42.117,53.797 42.117,54.152 cw(c42.27,54.152) 42.27,54.305 43.426,54.305 44.211,53.52 44.462,53.772 cw(c44.57,53.664) 44.678,53.771 ; 44.678,53.772 45.683,52.766 cw(c45.576,52.658) 45.728,52.658 cw(c45.576,52.658) 45.683,52.551 45.073,51.94 45.863,51.15 46.474,51.76 cw(c46.581,51.653) 46.69,51.76 ; 46.689,51.76 47.695,50.754 ; 47.695,50.755 cw(c47.587,50.647) 47.74,50.647 cw(c47.587,50.647) 47.695,50.539 47.084,49.928 47.875,49.138 48.472,49.736 cw(c48.58,49.628) 48.688,49.735 49.694,48.73 cw(c49.586,48.622) 49.738,48.622 cw(c49.586,48.622) 49.694,48.514 49.096,47.917 49.886,47.126 50.138,47.378 cw(c50.245,47.27) 50.354,47.377 ; 50.353,47.378 54.031,43.7 55.059,43.7 55.059,44.056 cw(c55.211,44.056) 55.211,44.208 56.634,44.208 cw(c56.634,44.056) 56.786,44.056 56.786,43.7 57.859,43.7 57.859,43.791 cw(c58.011,43.791) 58.011,43.944 59.434,43.944 cw(c59.434,43.791) 59.586,43.791 59.586,43.7 62.631,43.7 64.531,41.8 66.133,41.8 66.247,41.686 67.183,41.686 67.297,41.8 67.726,41.8 68.005,41.521 68.005,41.2 68.929,40.276 J40.6@69.255,40.276
LVDS1_2_P: J40.5 J44.L9 | length 93.4
  BottomLayer w0.127: J44.L9@6.445,53.471 6.925,53.951 7.1,53.951 7.354,53.951 7.862,53.951 7.862,52.91 8.37,52.91 8.37,53.951 8.878,53.951 8.9,53.951 10.739,53.951 11.26,53.43 11.79,53.43 12.311,53.951 13.089,53.951 13.61,53.43 14.14,53.43 14.661,53.951 15.117,53.951 15.143,53.976 15.85,53.976 15.914,53.913 15.965,53.913
  BottomLayer w0.152: 15.939,53.887 15.965,53.913 16.052,54 19.511,54 ccw(c19.511,54.152) 19.664,54.152 19.664,54.508 20.781,54.508 20.781,53.644 ccw(c20.934,53.644) 20.934,53.492 22.356,53.492 ccw(c22.356,53.644) 22.508,53.644 22.508,54.508 23.626,54.508 23.626,53.644 ccw(c23.778,53.644) 23.778,53.492 25.201,53.492 ccw(c25.201,53.644) 25.353,53.644 25.353,54.508 26.471,54.508 26.471,53.644 ccw(c26.623,53.644) 26.623,53.492 28.046,53.492 ccw(c28.046,53.644) 28.198,53.644 28.198,54.508 29.316,54.508 29.316,53.644 ccw(c29.468,53.644) 29.468,53.492 30.89,53.492 ccw(c30.89,53.644) 31.043,53.644 31.043,54.508 32.16,54.508 32.16,53.644 ccw(c32.313,53.644) 32.313,53.492 33.735,53.492 ccw(c33.735,53.644) 33.888,53.644 33.888,54.508 35.005,54.508 35.005,53.644 ccw(c35.158,53.644) 35.158,53.492 36.58,53.492 ccw(c36.58,53.644) 36.732,53.644 36.732,54.508 37.85,54.508 37.85,53.644 ccw(c38.002,53.644) 38.002,53.492 39.425,53.492 ccw(c39.425,53.644) 39.577,53.644 39.577,54.508 40.695,54.508 40.695,53.644 ccw(c40.847,53.644) 40.847,53.492 42.27,53.492 ccw(c42.27,53.644) 42.422,53.644 42.422,54 43.3,54 44.103,53.197 ; 44.102,53.198 ccw(c44.211,53.305) 44.318,53.197 44.57,53.449 45.36,52.658 44.749,52.048 ccw(c44.857,51.94) 44.749,51.832 45.755,50.826 ccw(c45.863,50.934) 45.971,50.826 46.581,51.437 47.372,50.647 46.761,50.036 ccw(c46.869,49.928) 46.761,49.821 47.767,48.815 ; 47.766,48.815 ccw(c47.875,48.923) 47.982,48.815 48.58,49.412 49.37,48.622 48.773,48.024 ccw(c48.88,47.917) 48.773,47.808 ; 48.773,47.809 49.778,46.803 ccw(c49.886,46.911) 49.994,46.803 50.245,47.055 53.905,43.395 55.211,43.395 ccw(c55.211,43.548) 55.364,43.548 55.364,43.903 56.481,43.903 56.481,43.548 ccw(c56.634,43.548) 56.634,43.395 58.011,43.395 ccw(c58.011,43.548) 58.164,43.548 58.164,43.639 59.281,43.639 59.281,43.548 ccw(c59.434,43.548) 59.434,43.395 62.505,43.395 64.405,41.495 66.042,41.495 66.131,41.406 67.299,41.406 67.388,41.495 67.6,41.495 67.7,41.395 67.7,41.2 66.776,40.276 J40.5@66.715,40.276
LVDS1_3_N: J40.9 J44.L37 | length 92.4
  TopLayer w0.152: v1@52.68,37.564 52.68,38.1 52.68,38.18 52.9,38.4 54.711,38.4 ccw(c54.711,38.552) 54.864,38.552 54.864,38.908 55.981,38.908 55.981,38.552 ccw(c56.134,38.552) 56.134,38.4 59.969,38.4 61.801,36.568 61.941,36.428 67.388,36.428 67.668,36.149 J40.9@66.715,35.196
  TopLayer w0.254: v1@52.68,37.564 v1(52.803,37.441)
  BottomLayer w0.127: J44.L37@4.095,48.271 4.654,48.83 5.698,48.83 6.179,49.311 6.71,49.311 6.859,49.163 10.511,49.163 11.26,49.911 11.79,49.911 12.336,49.365 13.063,49.365 13.61,49.911 14.14,49.911 14.686,49.365 15.977,49.365 16.041,49.429 17.502,49.429
  BottomLayer w0.152: 17.502,49.429 17.668,49.264 18.224,48.707 18.476,48.958 cw(c18.584,48.85) 18.692,48.958 ; 18.691,48.958 19.697,47.952 cw(c19.589,47.845) 19.742,47.845 cw(c19.589,47.845) 19.697,47.737 19.446,47.485 21.431,45.5 22.359,45.5 22.359,45.856 cw(c22.511,45.856) 22.511,46.008 23.934,46.008 cw(c23.934,45.856) 24.086,45.856 24.086,44.992 25.204,44.992 25.204,45.856 cw(c25.356,45.856) 25.356,46.008 26.778,46.008 cw(c26.778,45.856) 26.931,45.856 26.931,44.992 28.048,44.992 28.048,45.856 cw(c28.201,45.856) 28.201,46.008 29.623,46.008 cw(c29.623,45.856) 29.776,45.856 29.776,44.992 30.893,44.992 30.893,45.856 cw(c31.046,45.856) 31.046,46.008 32.468,46.008 cw(c32.468,45.856) 32.62,45.856 32.62,44.992 33.738,44.992 33.738,45.856 cw(c33.89,45.856) 33.89,46.008 35.313,46.008 cw(c35.313,45.856) 35.465,45.856 35.465,44.992 36.583,44.992 36.583,45.856 cw(c36.735,45.856) 36.735,46.008 38.158,46.008 cw(c38.158,45.856) 38.31,45.856 38.31,44.992 39.428,44.992 39.428,45.856 cw(c39.58,45.856) 39.58,46.008 41.002,46.008 cw(c41.002,45.856) 41.155,45.856 41.155,44.992 42.272,44.992 42.272,45.856 cw(c42.425,45.856) 42.425,46.008 43.847,46.008 cw(c43.847,45.856) 44,45.856 44,44.992 45.117,44.992 45.117,45.348 cw(c45.27,45.348) 45.27,45.5 46.831,45.5 49.074,43.257 cw(c48.966,43.149) 49.119,43.149 cw(c48.966,43.149) 49.074,43.041 48.823,42.79 49.613,42 49.864,42.251 cw(c49.972,42.143) 50.08,42.251 ; 50.08,42.251 52.515,39.816 52.68,39.651 52.68,37.564 v1(52.803,37.441)
LVDS1_3_P: J40.8 J44.L3 | length 91.7
  TopLayer w0.152: v1@52.21,37.475 52.325,37.589 52.325,38.049 52.375,38.1 52.375,38.306 52.774,38.705 54.559,38.705 54.559,39.06 cw(c54.711,39.06) 54.711,39.213 56.134,39.213 cw(c56.134,39.06) 56.286,39.06 56.286,38.705 60.095,38.705 62.067,36.733 68.252,36.733 J40.8@69.255,37.736
  TopLayer w0.254: v1@52.176,37.441 v1@52.21,37.475
  BottomLayer w0.127: J44.L3@6.445,48.671 6.683,48.909 7.1,48.909 7.545,48.909 8.434,48.909 8.434,47.894 9.323,47.894 9.323,48.909 10.212,48.909 10.3,48.909 10.981,48.909 11.26,48.63 11.929,48.63 12.41,49.111 13.129,49.111 13.61,48.63 14.14,48.63 14.621,49.111 15.977,49.111 16.041,49.048 17.452,49.048
  BottomLayer w0.152: 17.452,49.048 18.117,48.383 ; 18.116,48.384 ccw(c18.224,48.491) 18.332,48.383 18.584,48.635 19.374,47.845 19.122,47.593 ccw(c19.23,47.485) 19.122,47.378 21.305,45.195 22.511,45.195 ccw(c22.511,45.348) 22.664,45.348 22.664,45.703 23.781,45.703 23.781,44.84 ccw(c23.934,44.84) 23.934,44.687 25.356,44.687 ccw(c25.356,44.84) 25.508,44.84 25.508,45.703 26.626,45.703 26.626,44.84 ccw(c26.778,44.84) 26.778,44.687 28.201,44.687 ccw(c28.201,44.84) 28.353,44.84 28.353,45.703 29.471,45.703 29.471,44.84 ccw(c29.623,44.84) 29.623,44.687 31.046,44.687 ccw(c31.046,44.84) 31.198,44.84 31.198,45.703 32.316,45.703 32.316,44.84 ccw(c32.468,44.84) 32.468,44.687 33.89,44.687 ccw(c33.89,44.84) 34.043,44.84 34.043,45.703 35.16,45.703 35.16,44.84 ccw(c35.313,44.84) 35.313,44.687 36.735,44.687 ccw(c36.735,44.84) 36.888,44.84 36.888,45.703 38.005,45.703 38.005,44.84 ccw(c38.158,44.84) 38.158,44.687 39.58,44.687 ccw(c39.58,44.84) 39.732,44.84 39.732,45.703 40.85,45.703 40.85,44.84 ccw(c41.002,44.84) 41.002,44.687 42.425,44.687 ccw(c42.425,44.84) 42.577,44.84 42.577,45.703 43.695,45.703 43.695,44.84 ccw(c43.847,44.84) 43.847,44.687 45.27,44.687 ccw(c45.27,44.84) 45.422,44.84 45.422,45.195 46.705,45.195 48.751,43.149 48.499,42.898 ccw(c48.607,42.79) 48.5,42.682 49.505,41.676 ccw(c49.613,41.784) 49.721,41.677 ; 49.721,41.676 49.972,41.928 52.299,39.601 52.299,37.564
  other v1: 52.1,37.4